# Altium PCB Thermostat_8CH.PCBDOC (part 8 of 10)
Units mil, origin at the board's own origin, x right, y up, seen from the top; angles counter-clockwise.
Board outline 8409.08 x 3937.01 mil, 4 copper layers (TOP, G1, L2, BOT), stack 61.024 mil thick; 941 components, 513 nets, 2912 pads, 1409 vias.
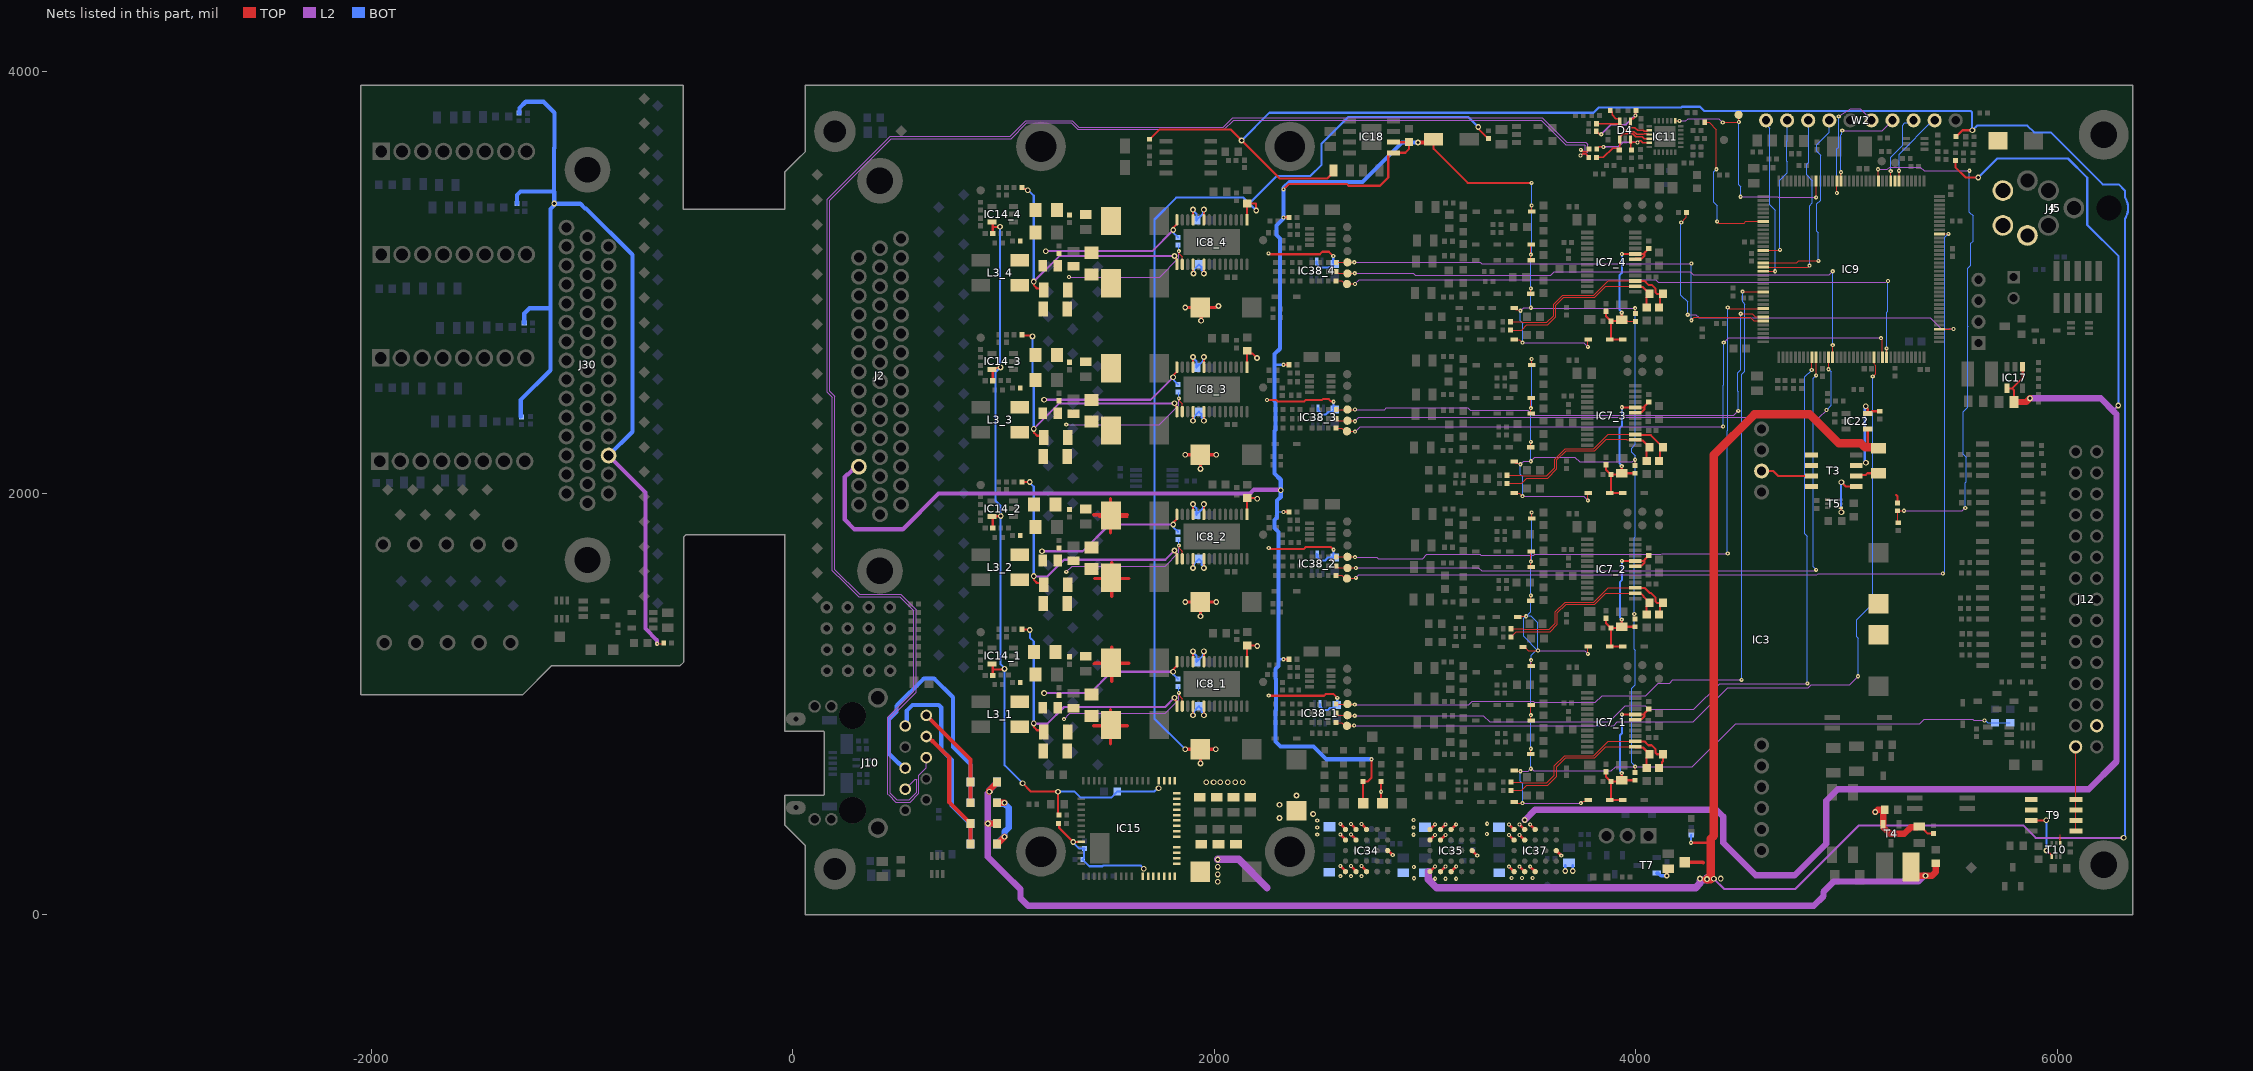
[diagram p10: the nets of this part, all layers, seen from the top]

## Via types
v1: diameter 19.68, hole 7.87, TOP to BOT, tented both sides, 1030 vias
v2: diameter 27.56, hole 15.75, TOP to BOT, tented both sides, 191 vias
v3: diameter 23.62, hole 11.81, TOP to BOT, tented both sides, 97 vias
v4: diameter 23.62, hole 11.81, TOP to BOT, 81 vias
v5: diameter 25.98, hole 12.99, TOP to BOT, tented both sides, 10 vias

## Nets (pads, with @x,y where several pads share a name; then routed paths per layer and width w, separated by ;. In a path a pad name is that pad's centre, name@x,y a point inside that pad or via, vN(x,y) a via of type N, cw(c..) or ccw(c..) an arc to the next point about the centre after c; other vN are vias at no path point) (continued)
P5V0: C8.2 C9.2 C10.2 C11.2 C56_1.2 C56_2.2 C56_3.2 C56_4.2 C57_1.2 C57_2.2 C57_3.2 C57_4.2 C58_1.2 C58_2.2 C58_3.2 C58_4.2 C59_1.1 C59_2.1 C59_3.1 C59_4.1 C69_1.2 C69_2.2 C69_3.2 C69_4.2 C78.2 C90_1.1 C90_2.1 C90_3.1 C90_4.1 C118.2 C157.2 C158.2 C164.2 C165.1 IC8_1.1 IC8_1.9 IC8_1.11 IC8_1.18 IC8_1.20 IC8_2.1 IC8_2.9 IC8_2.11 IC8_2.18 IC8_2.20 IC8_3.1 IC8_3.9 IC8_3.11 IC8_3.18 IC8_3.20 IC8_4.1 IC8_4.9 IC8_4.11 IC8_4.18 IC8_4.20 IC14_1.5 IC14_2.5 IC14_3.5 IC14_4.5 IC15.24 IC15.25 IC15.26 IC15.27 IC15.28 IC15.29 IC15.30 IC15.31 IC15.32 IC15.33 IC15.34 IC15.35 IC15.36 IC17.1 IC17.4 IC34.C1 IC34.D1 IC34.D2 IC34.E1 IC34.E2 IC35.C1 IC35.D1 IC35.D2 IC35.E1 IC35.E2 IC37.C1 IC37.D1 IC37.D2 IC37.E1 IC37.E2 IC38_1.5 IC38_2.5 IC38_3.5 IC38_4.5 R82.1 R86.2 R100.1 R124.1 TP7.1 | length 21779.3
  TOP w10: IC14_1.5@944.3,1190.74 948.23,1186.81 948.23,1161.46 ; IC14_4.5@944.3,3287.2 948.23,3283.27 948.23,3257.92 ; C90_1.1@948.23,1136.12 948.23,1161.46 ; C90_2.1@948.23,1834.93 948.23,1885.63 IC14_2.5@944.3,1889.56 945.72,1890.98 984.42,1890.98 v2(985.84,1892.39) ; C90_3.1@948.23,2533.75 948.23,2584.45 IC14_3.5@944.3,2588.38 949.95,2594.03 981.3,2594.03 v2(984.66,2597.39) ; C90_4.1@948.23,3232.57 948.23,3257.92 ; v2(982.71,3264.54) 981.79,3263.62 953.93,3263.62 948.23,3257.92 ; v2(1004.34,1166.7) 1001.57,1163.93 950.7,1163.93 948.23,1161.46 ; v2(1090,623.66) 1129.66,584 v2(1258,584) 1258,477.23 R86.2@1262.01,473.22 ; v2(1735.31,600.03) v2@1738.97,600.03 ; v2(1898.62,946.85) 1898.62,989.68 IC8_1.18@1898.9,989.96 ; v2(1898.62,1249.76) 1898.62,1201.26 IC8_1.11@1898.9,1200.98 ; v2(1898.62,1645.67) 1898.62,1688.5 IC8_2.18@1898.9,1688.78 ; v2(1898.62,1948.58) 1898.62,1900.08 IC8_2.11@1898.9,1899.8 ; v2(1898.62,2344.49) 1898.62,2387.32 IC8_3.18@1898.9,2387.6 ; v2(1898.62,2646.78) 1898.76,2646.65 1898.76,2598.76 IC8_3.11@1898.9,2598.62 ; v2@1898.62,3043.3 1898.62,3086.14 IC8_4.18@1898.9,3086.42 ; v2(1898.62,3346.21) 1898.62,3297.72 IC8_4.11@1898.9,3297.44 ; v2@1934.06,718.58 v2(1934.38,718.26) ; C59_4.1@1934.06,2881.65 C59_4.1@1937.05,2878.65 ; v2(1950.08,946.85) IC8_1.20@1950.08,989.96 ; v2(1950.08,1645.67) IC8_2.20@1950.08,1688.78 ; v2(1950.08,2344.49) IC8_3.20@1950.08,2387.6 ; v2(1950.08,3043.3) IC8_4.20@1950.08,3086.42 ; IC8_1.9@1950.08,1200.98 v2(1950.08,1249.76) ; IC8_2.9@1950.08,1899.8 v2(1950.08,1948.58) ; IC8_3.9@1950.08,2598.62 v2(1950.08,2646.78) ; IC8_4.9@1950.08,3297.44 v2(1950.08,3346.21) ; v2@2007.92,2881.65 2014.68,2888.41 v2(2019.43,2888.41) ; IC8_1.1@2154.8,1200.98 2154.8,1277.83 C57_1.2@2155.51,1278.54 2200.65,1278.54 v2(2203.6,1275.59) ; IC8_2.1@2154.8,1899.8 2154.8,1976.65 C57_2.2@2155.51,1977.36 2200.65,1977.36 v2(2203.6,1974.41) ; IC8_3.1@2154.8,2598.62 2154.8,2675.47 C57_3.2@2155.51,2676.18 2169.21,2662.48 2181.52,2662.48 v2(2202,2642) ; IC8_4.1@2154.8,3297.44 2154.8,3374.29 C57_4.2@2155.51,3375 2197.75,3375 2197.75,3343.25 v2(2199,3342) ; v1(2249.74,2442.67) 2294.38,2442.67 2302.01,2435.04 2425.22,2435.04 2433.43,2443.25 2511.64,2443.25 2515.21,2446.83 2542.68,2446.83 2554.09,2435.42 2565.29,2435.42 v1(2566.01,2434.7) ; v1(2256.89,3138.62) 2259.51,3138.62 2263.89,3134.24 2500.43,3134.24 2512.66,3146.47 2543.55,3146.47 v1(2564.28,3125.74) ; v1(2258.07,1039.65) 2258.4,1039.33 2521.08,1039.33 2528.35,1046.59 2566.01,1046.59 2582.95,1029.65 v1(2582.95,1029.28) ; v1(2258.07,1740.55) 2263.84,1734.78 2423.43,1734.78 2433.54,1744.9 2509.89,1744.9 2510.02,1745.02 2553.03,1745.02 v1(2566.01,1732.04) ; v1@2595.23,377.91 v1@2601.27,377.91 ; v1@2595.23,427.91 v1@2601.27,427.91 ; v1@2645.23,377.91 v1@2651.27,377.91 ; v1@2645.23,427.91 v1@2651.27,427.91 ; v1@2695.23,427.91 v1@2701.27,427.91 ; R100.1@2791.44,632.14 2791.44,535.79 TP7.1@2797.88,529.35 ; v1@3044.09,375.55 v1@3044.09,381.59 ; v1@3044.09,425.55 v1@3044.09,425.66 ; v1@3044.09,431.59 v1@3044.09,425.66 ; v1(3047.15,428.74) v1@3044.09,425.66 ; v1@3094.09,375.55 v1@3094.09,381.59 ; v1@3094.09,425.55 v1@3094.09,431.59 ; v1@3144.09,425.55 v1@3144.09,431.59 ; v2(3252,3738) 3255.36,3734.64 3255.36,3727.87 3299.96,3683.27 R124.1@3300.75,3683.27 ; R82.1@5516.41,3578.67 5516.41,3547.36 5565.19,3498.58 v2(5624.64,3498.58) ; IC17.4@5761.29,2498.19 5785.89,2498.19 ; C78.2@5794.15,2433.2 5794.15,2489.92 5785.89,2498.19 ; IC17.1@5833.14,2603.5 IC17.1@5836.09,2600.55 5836.09,2548.39 5785.89,2498.19
  TOP w13.78: v1(2598.08,380.97) IC34.E2@2622.11,357.07 ; v1(2598.08,430.97) IC34.E1@2622.11,407.07 ; v1(2648.08,380.97) IC34.D2@2672.11,357.07 ; v1(2648.08,430.97) IC34.D1@2672.11,407.07 ; v1(2698.08,430.97) IC34.C1@2722.11,407.07 ; IC35.E2@3023.25,354.71 v1(3047.15,378.74) ; IC35.E1@3023.25,404.71 v1@3044.09,425.66 ; IC35.D2@3073.25,354.71 v1(3097.15,378.74) ; IC35.D1@3073.25,404.71 v1(3097.15,428.74) ; IC35.C1@3123.25,404.71 v1(3147.15,428.74) ; v1(3398.32,378.45) IC37.E2@3422.36,354.55 ; v1(3398.32,428.45) IC37.E1@3422.36,404.55 ; v1(3448.32,378.45) IC37.D2@3472.36,354.55 ; v1(3448.32,428.45) IC37.D1@3472.36,404.55 ; v1(3498.32,428.45) IC37.C1@3522.36,404.55
  TOP w15.75: v2(1861.5,785.19) C59_1.1@1934.06,785.19 ; v2(1861.5,1484.01) C59_2.1@1934.06,1484.01 ; v2(1861.5,2182.83) C59_3.1@1934.06,2182.83 ; v2(1861.5,2881.65) C59_4.1@1934.06,2881.65 v2@2007.92,2881.65 ; v2@1934.06,718.58 C59_1.1@1934.06,785.19 ; v2(1934.06,1416.32) C59_2.1@1934.06,1484.01 ; v2(1934.06,2115.9) C59_3.1@1934.06,2182.83 ; v2(1937.05,2818.5) C59_4.1@1937.05,2878.65 ; v2(2006.24,785.19) C59_1.1@1934.06,785.19 ; v2(2009.14,1484.01) C59_2.1@1934.06,1484.01 ; v2(2009.14,2182.83) C59_3.1@1934.06,2182.83
  TOP w30: C78.2@5794.15,2433.2 5853.29,2433.2 v2(5870.52,2450.43)
  L2 w10: v2@1004.34,1161.64 v2(1004.34,1166.7) ; 6272.21,2400.21 v2(6289,2417)
  L2 w30: v2(3472.84,449.29) 3521.74,498.19 4148.95,498.19 4382,498 4414.14,465.86 4414.14,341.86 4569,187 4753.34,187 4903.46,337.11 4903.46,540.46 4958.43,595.43 6149.43,595.43 6281,727 6281,2375 ; v2(5870.52,2450.43) 6205.57,2450.43 6272.79,2383.21
  BOT w10: v2(982.71,3264.54) 982.71,2595.43 961,2573.72 961,1965 985.84,1940.16 v2(985.84,1892.39) 985.84,1188.9 1004.34,1170.39 v2(1004.34,1166.7) 1004.34,709.32 v2(1090,623.66) ; v2(1258,584) 1336.62,584 1365.06,555.56 1510.1,555.56 1532.54,578 C118.2@1534,578 ; C118.2@1538.8,585.25 1715.78,585.25 1730.56,600.03 v2(1735.31,600.03) ; v2(1861.5,785.19) 1861.5,789.24 1857.44,789.24 1715.78,930.91 1715.78,3299.34 1819.25,3402.81 2138.19,3402.81 2165.88,3375.12 ; v2(1898.62,946.85) 1901.98,950.21 1901.98,964.45 1926.46,988.93 C58_1.2@1926.46,989.91 1940.16,976.21 1940.16,961.52 1950.08,951.6 v2(1950.08,946.85) ; v2(1898.62,1249.76) 1898.62,1246.01 1914.37,1230.26 C56_1.2@1914.37,1199.56 ; v2(1898.62,1645.67) 1901.98,1649.03 1901.98,1663.27 1926.46,1687.75 C58_2.2@1926.46,1688.73 1940.16,1675.03 1940.16,1660.34 1950.08,1650.42 v2(1950.08,1645.67) ; v2(1898.62,1948.58) 1898.62,1944.83 1914.37,1929.08 C56_2.2@1914.37,1898.38 ; v2(1898.62,2344.49) 1901.98,2347.85 1901.98,2362.09 1926.46,2386.57 C58_3.2@1926.46,2387.55 1940.16,2373.85 1940.16,2359.16 1950.08,2349.24 v2(1950.08,2344.49) ; v2(1898.62,2646.78) 1898.62,2643.65 1914.37,2627.9 C56_3.2@1914.37,2597.2 ; v2@1898.62,3043.3 1901.98,3046.66 1901.98,3060.91 1926.46,3085.39 C58_4.2@1926.46,3086.37 1940.16,3072.67 1940.16,3057.98 1950.08,3048.06 v2(1950.08,3043.3) ; v2(1898.62,3346.21) 1898.62,3342.46 1914.37,3326.72 C56_4.2@1914.37,3296.02 ; C56_1.2@1914.37,1198.58 C56_1.2@1914.37,1199.56 ; C56_2.2@1914.37,1897.39 C56_2.2@1914.37,1898.38 ; C56_3.2@1914.37,2596.21 C56_3.2@1914.37,2597.2 ; C56_4.2@1914.37,3295.03 C56_4.2@1914.37,3296.02 ; v2(1950.08,1249.76) 1946.34,1246.01 1946.34,1231.53 C56_1.2@1914.37,1199.56 ; v2(1950.08,1948.58) 1946.34,1944.83 1946.34,1930.35 C56_2.2@1914.37,1898.38 ; v2(1950.08,2646.78) 1946.34,2643.04 1946.34,2629.17 C56_3.2@1914.37,2597.2 ; v2(1950.08,3346.21) 1946.34,3342.47 1946.34,3327.98 C56_4.2@1914.37,3296.02 ; v2(2199,3342) 2165.88,3375.12 ; IC38_2.5@2485.44,1711.84 IC38_2.5@2488.31,1708.96 2488.31,1698.14 2496.03,1690.42 2496.03,1686.12 2501.89,1680.26 2525.92,1680.26 2531.78,1686.12 2531.78,1688.91 2537.64,1694.77 C69_2.2@2570.87,1694.77 2566.01,1699.62 v1(2566.01,1732.04) ; IC38_4.5@2485.44,3099.96 2485.44,3089.13 2493.16,3081.41 2493.16,3077.11 2499.02,3071.26 2543.57,3071.26 2546.28,3073.96 2557.17,3073.96 C69_4.2@2570.87,3087.66 2564.28,3094.25 v1(2564.28,3125.74) ; IC38_3.5@2492.13,2403.49 2492.13,2392.67 2499.84,2384.95 2499.84,2380.65 2505.7,2374.79 2529.73,2374.79 2539.37,2384.43 2557.17,2384.43 C69_3.2@2570.87,2398.14 2566.01,2402.99 v1(2566.01,2434.7) ; IC38_1.5@2500.98,999.44 2500.98,988.62 2508.7,980.9 2508.7,976.6 2514.56,970.74 2538.59,970.74 2548.7,980.85 2567.17,980.85 C69_1.2@2580.87,994.55 2582.95,996.64 v1(2582.95,1029.28) ; v2(3252,3738) 3204.19,3785.81 2634.9,3785.81 2508.73,3659.64 2508.73,3559.67 2455.06,3506.01 2296.77,3506.01 2165.88,3375.12 ; v2(5624.64,3498.58) 5715.08,3589.02 6050.98,3589.02 6142,3498 6142,3273.47 6291,3124.47 6291,2419 v2(6289,2417)
  other v1: 2488.21,380.27 2945.68,379.55 3293.23,383.29 2488.21,413.91 2945.68,414.42 3294.23,432.1 2488.21,447.56 2945.68,449.29 2791.44,583.97
  other v2: 2309.29,458.66 2468.44,478.22 2309.29,521.65 2389.76,566.16 1961.02,628.67 1996.45,628.67 2027.95,628.67 2063.38,628.67 2098.82,628.67 2134.25,628.67 1900.59,3043.3
P5V0_AFE: J30.33 L10.2 L11.2 L12.2 L13.2 R218.1 | length 4621
  TOP w5: v1(-644.34,1286.03) -616.18,1286.03 R218.1@-612.83,1289.37
  L2 w5: v1@-645.16,1286.84 v1(-644.34,1286.03)
  L2 w19.68: J30.33@-874.82,2179.06 -700,2004.25 -700,1357.94 -644.34,1302.28 v1(-644.34,1286.03)
  BOT w19.68: L12.2@-1309,3374.11 -1309,3416 -1293,3432 -1134,3432 -1133,3431 v2(-1133,3375) ; L13.2@-1300,3804.11 -1299.61,3804.11 -1297.64,3806.08 -1297.64,3828.36 -1268,3858 -1183,3858 -1131,3806 -1131,3639 ; L10.2@-1292,2365 -1292,2443 -1151,2584 -1151,2878 ; L11.2@-1275,2808.11 -1275,2853 -1250,2878 -1151,2878 ; -1134,3431 -1134,3639 ; v2@-1129,3371 -1151,3349 -1151,2878 ; v2@-1126,3374 -1009,3374 -987,3352 -982.14,3352 -762,3131.86 -762,2291.88 J30.33@-874.82,2179.06
P5V0A: C113.2 D13_1.1 D13_2.1 D13_3.1 D13_4.1 D14_1.1 D14_2.1 D14_3.1 D14_4.1 D17_1.1 D17_2.1 D17_3.1 D17_4.1 D18_1.1 D18_2.1 D18_3.1 D18_4.1 D25.1 D29_1.1 D29_2.1 D29_3.1 D29_4.1 D30_1.1 D30_2.1 D30_3.1 D30_4.1 D31_1.1 D31_2.1 D31_3.1 D31_4.1 IC18.1 IC18.2 J2.33 R1.2 R2.2 R37_1.2 R37_2.2 R37_3.2 R37_4.2 R39.1 R71_1.2 R71_2.2 R71_3.2 R71_4.2 TP11.1 | length 19421
  TOP w5: TP11.1@2705.08,529.81 TP11.1@2705.54,529.35 ; D30_1.1@3421.99,684.27 3425.17,681.1 v1(3451.96,681.1) ; D30_3.1@3421.99,2150.81 3429.34,2143.47 3442.31,2143.47 3447.98,2137.79 v1(3451.96,2137.79) ; D30_4.1@3421.99,2879.16 3429.34,2871.81 3442.31,2871.81 3447.98,2866.14 v1(3451.96,2866.14) ; D31_1.1@3423.17,534.67 3428,529.84 v1(3462.36,529.84) ; D31_3.1@3423.17,2001.2 3447.69,2001.2 v1(3462.36,1986.54) ; D31_4.1@3423.17,2729.55 3447.69,2729.55 v1(3462.36,2714.88) ; D30_2.1@3439.09,1413 3442.34,1416.24 v1(3479.51,1416.24) ; D31_2.1@3464.59,1271.22 3472.47,1271.22 3490,1253.69 v1(3535.53,1253.69) ; D18_1.1@3501.75,762.01 v1(3501.75,787.42) ; D18_2.1@3501.75,1490.35 v1(3501.75,1515.76) ; D18_3.1@3501.75,2218.7 v1(3501.75,2244.11) ; D18_4.1@3501.75,2947.05 v1(3501.75,2972.46) ; D13_1.1@3503.14,1179.6 v1(3503.14,1208.06) ; D14_1.1@3503.68,995.34 3501.75,993.41 3501.75,923.97 D17_1.1@3504.53,921.19 ; D14_2.1@3503.68,1723.69 3501.75,1721.76 3501.75,1652.32 D17_2.1@3504.53,1649.54 ; D14_3.1@3503.68,2452.04 3501.75,2450.11 3501.75,2380.66 D17_3.1@3504.53,2377.89 ; D14_4.1@3503.68,3180.38 3501.75,3178.45 3501.75,3109.01 D17_4.1@3504.53,3106.23 ; D13_2.1@3505.47,1880.35 v1(3505.47,1908.81) ; D13_3.1@3505.47,2608.69 v1(3505.47,2637.16) ; D13_4.1@3505.47,3337.04 v1(3505.47,3365.5) ; v1(3739.28,529.84) 3743.25,529.84 3750.91,537.5 3762.67,537.5 D29_1.1@3772.36,547.19 ; v1(3772.36,1237.93) D29_2.1@3772.36,1275.53 ; v1(3772.36,1966.27) D29_3.1@3772.36,2003.88 ; v1(3772.36,2694.62) D29_4.1@3772.36,2732.23 ; v1(3992.78,1426.79) 3992.78,1407.86 R37_2.2@3996.87,1403.76 ; v1@3996,2878 3996.87,2877.13 3996.87,2853.63 R37_4.2@3998,2852.5 ; R37_1.2@3996.87,675.42 v1(3996.87,702.77) ; R37_3.2@3996.87,2132.11 v1(3996.87,2159.46)
  TOP w10: v1(2327.76,3442.15) 2327.76,3442.27 2353.99,3468.5 2627.71,3468.5 2636.56,3459.65 2786.17,3459.65 2824.88,3498.35 2824.88,3609.13 2831.69,3615.94 2906.15,3615.94 2923.23,3633.03 2923.23,3665.94 C113.2@2923.23,3666.73 ; TP11.1@2705.08,529.81 R39.1@2705.08,632.14 2727.01,632.14 2745.62,650.76 v1(2745.62,737.54) ; IC18.2@2850.39,3665.94 C113.2@2922.45,3665.94 ; D25.1@3026.96,3666.73 D25.1@3040.35,3680.11 3040.35,3634.6 3201.92,3473.03 v1(3505.47,3473.03)
  TOP w11.81: v1(2327.76,1212.6) R71_1.2@2354.53,1212.6 ; v1(2327.76,1911.42) R71_2.2@2354.53,1911.42 ; v1(2327.76,2610.24) R71_3.2@2354.53,2610.24 ; v1(2327.76,3309.06) R71_4.2@2354.53,3309.06
  TOP w19.68: C113.2@2922.45,3665.94 C113.2@2923.23,3665.94 ; v2@2966.94,3665 3033,3665 D25.1@3034,3666
  L2 w5: v1(3451.96,681.1) 3488.65,681.1 3499.55,692 v1@3501.75,692 ; v1(3451.96,2137.79) 3454.03,2137.79 3468.07,2151.83 v1(3501.75,2151.83) 3521.02,2171.1 3711.19,2171.1 3733.73,2148.57 3983.24,2148.57 3994.13,2159.46 v1(3996.87,2159.46) ; v1(3451.96,2866.14) 3454.03,2866.14 3468.07,2880.18 v1(3501.75,2880.18) ; v1(3462.36,529.84) v1(3739.28,529.84) ; v1(3462.36,1986.54) 3752.1,1986.54 v1(3772.36,1966.27) ; v1(3462.36,2714.88) 3752.1,2714.88 v1(3772.36,2694.62) ; v1(3501.75,692.52) 3505.61,692.52 3515.94,682.19 3884.4,682.19 3904.98,702.77 4268.77,702.77 4473,907 5346.26,907 5367.54,928.28 5597.81,928.28 5604.09,922 v1(5655,922) ; v1@3501.75,2878 v1@3994,2878 ; v1(3535.53,1253.69) 3756.6,1253.69 v1(3772.36,1237.93)
  L2 w19.68: J2.33@313,2126.27 298.09,2126.27 260.82,2089 257,2089 246,2078 246,1875 292,1829 521,1829 691,1999 2170,1999 2188,2017 2306.65,2017 2307.85,2015.81 2313.41,2015.81 v2(2314.92,2014.3)
  BOT w5: 2297.27,1911.42 v1(2327.76,1911.42) ; v1(3451.96,681.1) 3451.96,632.82 3462.36,622.41 v1(3462.36,529.84) ; v1(3451.96,2137.79) 3451.96,2089.51 3462.36,2079.11 v1(3462.36,1986.54) ; v1(3451.96,2866.14) 3451.96,2817.86 3462.36,2807.45 v1(3462.36,2714.88) ; v1(3501.75,692.52) v1(3501.75,787.42) v1(3501.75,947.42) 3502.45,948.11 3502.45,1207.36 v1(3503.14,1208.06) 3503.14,1230.76 v1@3529.94,1257.55 ; v1(3501.75,2151.83) v1(3501.75,2244.11) v1(3501.75,2404.11) 3505.47,2407.83 v1(3505.47,2637.16) ; v1(3501.75,2880.18) v1(3501.75,2972.46) v1(3501.75,3132.45) 3505.47,3136.17 v1(3505.47,3365.5) v1(3505.47,3473.03) ; v1(3505.47,1908.81) 3505.47,1679.48 v1(3501.75,1675.76) v1(3501.75,1515.76) 3501.75,1438.48 v1(3479.51,1416.24) ; v1(3996.87,702.77) 3979.53,720.11 3979.53,1074.01 3997.96,1092.44 3997.96,1255.03 3992.78,1260.22 v1(3992.78,1426.79) 3992.78,1789.54 3997.13,1793.9 3997.13,2159.2 v1(3996.87,2159.46) 3996.87,2177.8 3979.53,2195.14 3979.53,2214.53 3997,2232 3997,2878.42 v1(3996.87,2878.55) ; v1(5655,922) 5658.97,922 5668.97,912.01 R2.2@5776.32,912.01 ; v1(3479.51,1416.24) 3482.08,1418.81 3494.78,1418.81 3495.26,1419.29 3501.75,1419.29 3535.53,1385.51 v1(3535.53,1253.69) 3533.73,1253.69 3467,1320.42 3467,1406.32 3476.93,1416.24 v1(3479.51,1416.24)
  BOT w10: 2293.75,2610.24 v1(2327.76,2610.24) ; 2304.82,1204.57 2312.73,1212.49 2327.65,1212.49 v1(2327.76,1212.6)
  BOT w19.68: v1(2327.76,3442.15) 2327.76,3304.59 2294.07,3270.91 2294.07,3225.15 2310.78,3208.45 2310.78,2685.94 2286.09,2661.25 2286.09,2437.54 2289.3,2434.33 2289.3,2299.95 2285.35,2296 2285.35,2093.73 2314.92,2064.17 v2(2314.92,2014.3) 2314.92,1982.83 2297.27,1965.17 2297.27,1911.42 2297.27,1885.17 2285.69,1873.6 2285.69,1835.89 2304.82,1816.77 2304.82,1212.49 2304.82,1204.57 2304.82,1179.81 2290.24,1165.23 2290.24,1120.78 2292.57,1118.45 2292.57,971.25 2290.24,968.92 2290.24,821.72 2312.99,798.97 2338.82,798.97 2340.03,797.76 2360.48,797.76 2361.68,798.97 2470.88,798.97 2532.3,737.54 v1(2745.62,737.54) ; v1@2328.66,3442.15 2328.66,3450.03 2356.63,3478 2702.55,3478 2889.55,3665 v2(2966,3665)
P5V0AVDD_1: C41_1.1 C42_1.1 C54_1.1 D29_1.2 D34_1.1 IC7_1.7 IC7_1.8 R36_1.2 R37_1.1 | length 847.2
  TOP w10: C41_1.1@3858.37,678.7 3858.37,655.61 3865.44,648.54 3881.51,632.5 R36_1.2@3881.51,631.71 ; v1(3933.17,672.03) 3933.17,638.9 C42_1.1@3933.72,638.35 ; v1(3933.72,950.8) v1(3933.72,950.8) 3996.83,950.76 IC7_1.8@3996.87,950.72 4039.02,950.72 4041.08,948.66 ; D34_1.1@3938.21,542.87 3936.24,544.84 D29_1.2@3877.19,544.84 3881.51,549.17 R36_1.2@3881.51,631.71 ; R37_1.1@3996.87,638.41 3940.42,638.41 3933.72,631.71 R36_1.2@3881.51,631.71 ; IC7_1.7@3996.87,925.13 4000.73,928.99 4027.63,928.99 4041.08,942.43 4041.08,948.66 ; C54_1.1@4061.12,976.2 4041.08,956.16 4041.08,948.66
  BOT w10: v1(3933.17,672.03) 3933.17,674.65 3924.24,683.59 3924.24,850.35 3933.72,859.83 v1(3933.72,950.8)
P5V0AVDD_2: C41_2.1 C42_2.1 C54_2.1 D29_2.2 D34_2.1 IC7_2.7 IC7_2.8 R36_2.2 R37_2.1 | length 847.1
  TOP w10: C41_2.1@3858.37,1407.05 3858.37,1383.96 3865.44,1376.89 3881.51,1360.85 R36_2.2@3881.51,1360.06 ; v1(3933.17,1400.38) 3933.17,1367.25 C42_2.1@3933.72,1366.7 ; v1(3933.72,1679.15) v1(3933.72,1679.15) IC7_2.8@3996.87,1679.07 IC7_2.8@3996.87,1679.07 4039.02,1679.07 4041.08,1677.01 ; D34_2.1@3938.21,1271.22 3936.24,1273.19 D29_2.2@3877.19,1273.19 3881.51,1277.52 R36_2.2@3881.51,1360.06 ; R37_2.1@3996.87,1366.76 3940.42,1366.76 3933.72,1360.06 R36_2.2@3881.51,1360.06 ; IC7_2.7@3996.87,1653.47 4000.73,1657.33 4027.63,1657.33 4041.08,1670.78 4041.08,1677.01 ; C54_2.1@4061.12,1704.55 4041.08,1684.5 4041.08,1677.01
  BOT w10: v1(3933.17,1400.38) 3933.17,1403 3924.4,1411.78 3924.4,1578.64 3933.72,1587.97 v1(3933.72,1679.15)
P5V0AVDD_3: C41_3.1 C42_3.1 C54_3.1 D29_3.2 D34_3.1 IC7_3.7 IC7_3.8 R36_3.2 R37_3.1 | length 850
  TOP w10: C41_3.1@3858.37,2135.39 3858.37,2112.31 3865.44,2105.24 3881.51,2089.19 R36_3.2@3881.51,2088.41 ; v1(3933.17,2128.73) 3933.17,2095.6 C42_3.1@3933.72,2095.04 ; v1(3933.72,2408.44) 3934.24,2407.93 3996.36,2407.93 IC7_3.8@3996.87,2407.41 4039.02,2407.41 4041.08,2405.35 ; D34_3.1@3938.21,1999.57 3936.24,2001.53 D29_3.2@3877.19,2001.53 3881.51,2005.86 R36_3.2@3881.51,2088.41 ; R37_3.1@3996.87,2095.1 3940.42,2095.1 3933.72,2088.41 R36_3.2@3881.51,2088.41 ; IC7_3.7@3996.87,2381.82 4000.73,2385.68 4027.63,2385.68 4041.08,2399.13 4041.08,2405.35 ; C54_3.1@4061.12,2432.9 4041.08,2412.85 4041.08,2405.35
  BOT w10: v1(3933.17,2128.73) 3933.17,2131.35 3922.54,2141.98 3922.54,2309.53 3933.72,2320.72 v1(3933.72,2408.44)
P5V0AVDD_4: C41_4.1 C42_4.1 C54_4.1 D29_4.2 D34_4.1 IC7_4.7 IC7_4.8 R36_4.2 R37_4.1 | length 847.2
  TOP w5: C42_4.1@3958,2816 3997.5,2816 R37_4.1@3998,2815.5
  TOP w10: C41_4.1@3858.37,2863.74 3858.37,2840.65 3865.44,2833.58 3881.51,2817.54 R36_4.2@3881.51,2816.75 ; v1(3933.17,2857.07) 3933.17,2823.94 C42_4.1@3933.72,2823.39 ; v1(3933.72,3135.84) v1(3933.72,3135.84) IC7_4.8@3996.87,3135.76 IC7_4.8@3996.87,3135.76 4039.02,3135.76 4041.08,3133.7 ; D34_4.1@3938.21,2727.91 3936.24,2729.88 D29_4.2@3877.19,2729.88 3881.51,2734.21 R36_4.2@3881.51,2816.75 ; C42_4.1@3958,2816.75 R36_4.2@3881.51,2816.75 ; IC7_4.7@3996.87,3110.17 4000.73,3114.03 4027.63,3114.03 4041.08,3127.47 4041.08,3133.7 ; C54_4.1@4061.12,3161.24 4041.08,3141.2 4041.08,3133.7
  BOT w10: v1(3933.17,2857.07) 3933.17,2859.69 3922.54,2870.33 3922.54,3034.59 3933.72,3045.78 v1(3933.72,3135.84)
P12V0: C12.2 C13.2 C14.2 C15.1 C101.2 C117.2 C155.2 C156.2 C163.2 C166.2 C167.2 IC15.12 IC15.13 IC15.14 IC15.15 IC15.16 IC15.17 IC15.18 IC15.19 IC15.20 IC15.21 IC15.22 IC15.60 IC22.4 IC34.A3 IC34.C5 IC34.D5 IC34.E5 IC35.A3 IC35.C5 IC35.D5 IC35.E5 IC37.A3 IC37.C5 IC37.D5 IC37.E5 R13.2 R69.2 R83.2 R88.1 R90.2 R97.1 R128.1 R138.1 T7.2 TP6.1 | length 17022.8
  TOP w10: R138.1@1260.53,433.07 1263.82,429.78 1263.82,411.72 v2(1330.27,345.27) IC15.60@1367.73,345.27 ; R97.1@1692.91,3679.92 1693.7,3679.92 1740.98,3727.2 2076.48,3727.2 v2(2129.21,3674.47) 2309.59,3494.09 2535.58,3494.09 2565,3523.51 R88.1@2565,3528 ; v1@2595.23,227.91 v1@2601.27,227.91 ; v1@2645.23,227.91 v1@2651.27,227.91 ; v1@2695.23,227.91 v1@2701.27,227.91 ; v1@2842.95,286.22 v1@2848.99,286.22 ; v1@3044.09,225.55 v1@3044.09,231.59 ; v1@3094.09,225.55 v1@3094.09,231.59 ; v1@3144.09,225.55 v1@3144.09,231.59 ; v1(4262.08,341.62) 4355.54,341.62 4356.54,340.63 ; v2(4304.93,171.26) 4307.19,169 v2(4337.5,169) ; 5100.39,2222.32 IC22.4@5100.39,2304.36 ; R83.2@5519.69,3693.07 5520.47,3693.07 5550.09,3722.69 v2(5597.13,3722.69)
  TOP w13.78: v1(2598.08,230.97) IC34.E5@2622.11,207.07 ; v1(2648.08,230.97) IC34.D5@2672.11,207.07 ; v1(2698.08,230.97) IC34.C5@2722.11,207.07 ; IC34.A3@2822.11,307.07 v1(2846.15,283.17) ; IC35.E5@3023.25,204.71 v1(3047.15,228.74) ; IC35.D5@3073.25,204.71 v1(3097.15,228.74) ; IC35.C5@3123.25,204.71 v1(3147.15,228.74) ; IC35.A3@3223.25,304.71 v1@3244.21,283.86 ; v1(3398.32,228.45) IC37.E5@3422.36,204.55 ; v1(3448.32,228.45) IC37.D5@3472.36,204.55 ; v1(3498.32,228.45) IC37.C5@3522.36,204.55 ; IC37.A3@3622.36,304.55 v1(3646.39,280.65)
  TOP w15.75: v5(4146.39,184.95) C101.2@4146.39,218.61 ; TP6.1@4232.96,249 4319.01,249 4320.68,247.32
  TOP w40: v2(4337.5,169) 4354.54,169 4356.54,171 4356.54,340.63 4356.54,361.11 4370,374.57 4370,2182.06 4562.67,2374.73 4826.33,2374.73 4963.86,2237.21 5068.68,2237.21 5088.25,2217.63 5146.97,2217.63 R69.2@5151.57,2213.03
  L2 w10: v2(4370.41,170.85) 4418.37,122.89 4757.73,122.89 5058.83,424 5839,424 5898,365 v2(6315,365)